# Altium PCB Gateway.PcbDoc
Units mil, origin at the board's own origin, x right, y up, seen from the top; angles counter-clockwise.
Board outline 2309.97 x 2539.97 mil, 2 copper layers (Top Layer, Bottom Layer); 56 components, 46 nets, 227 pads, 73 vias.
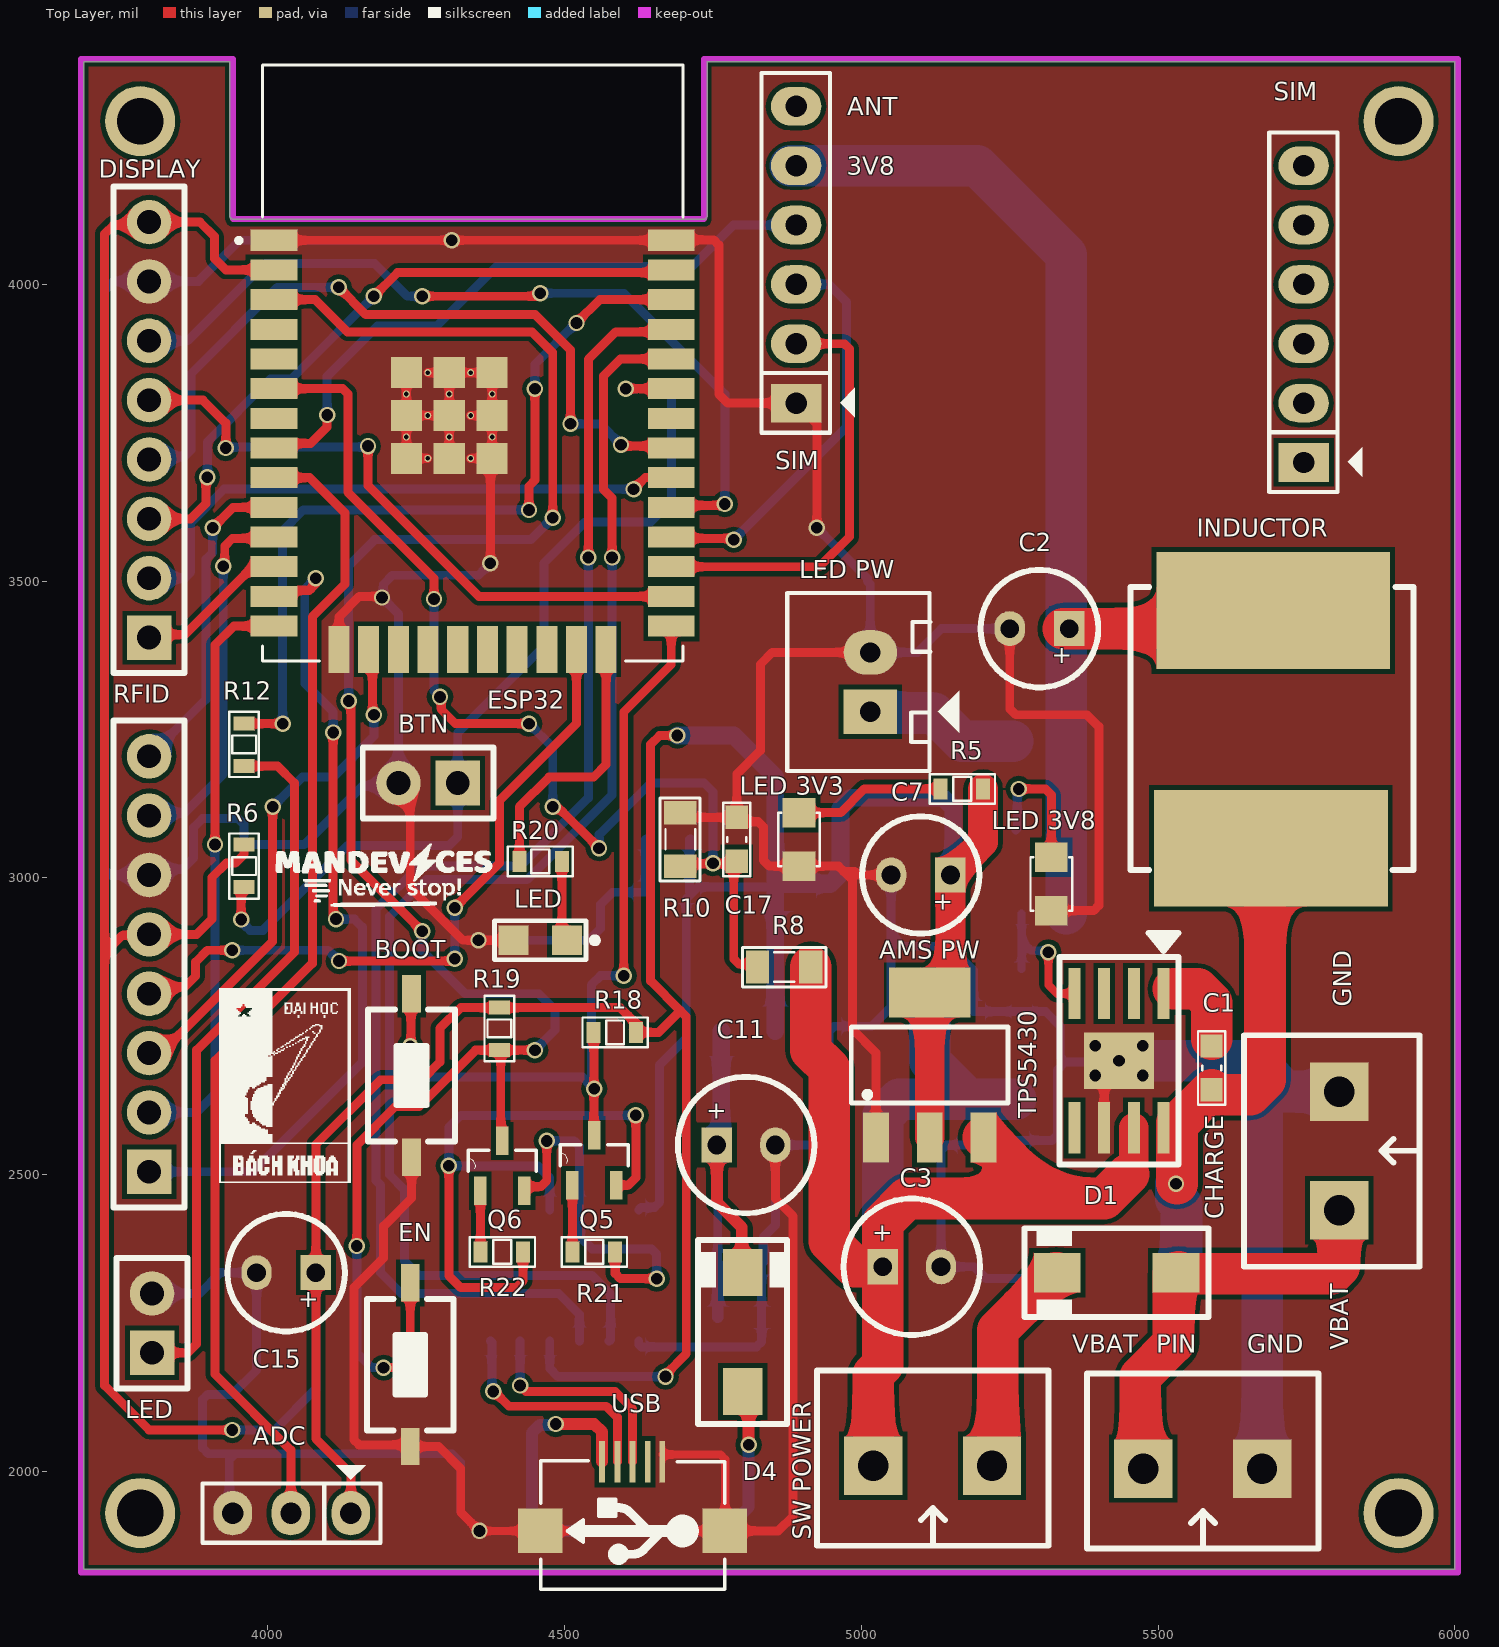
[diagram p0: Top Layer view]
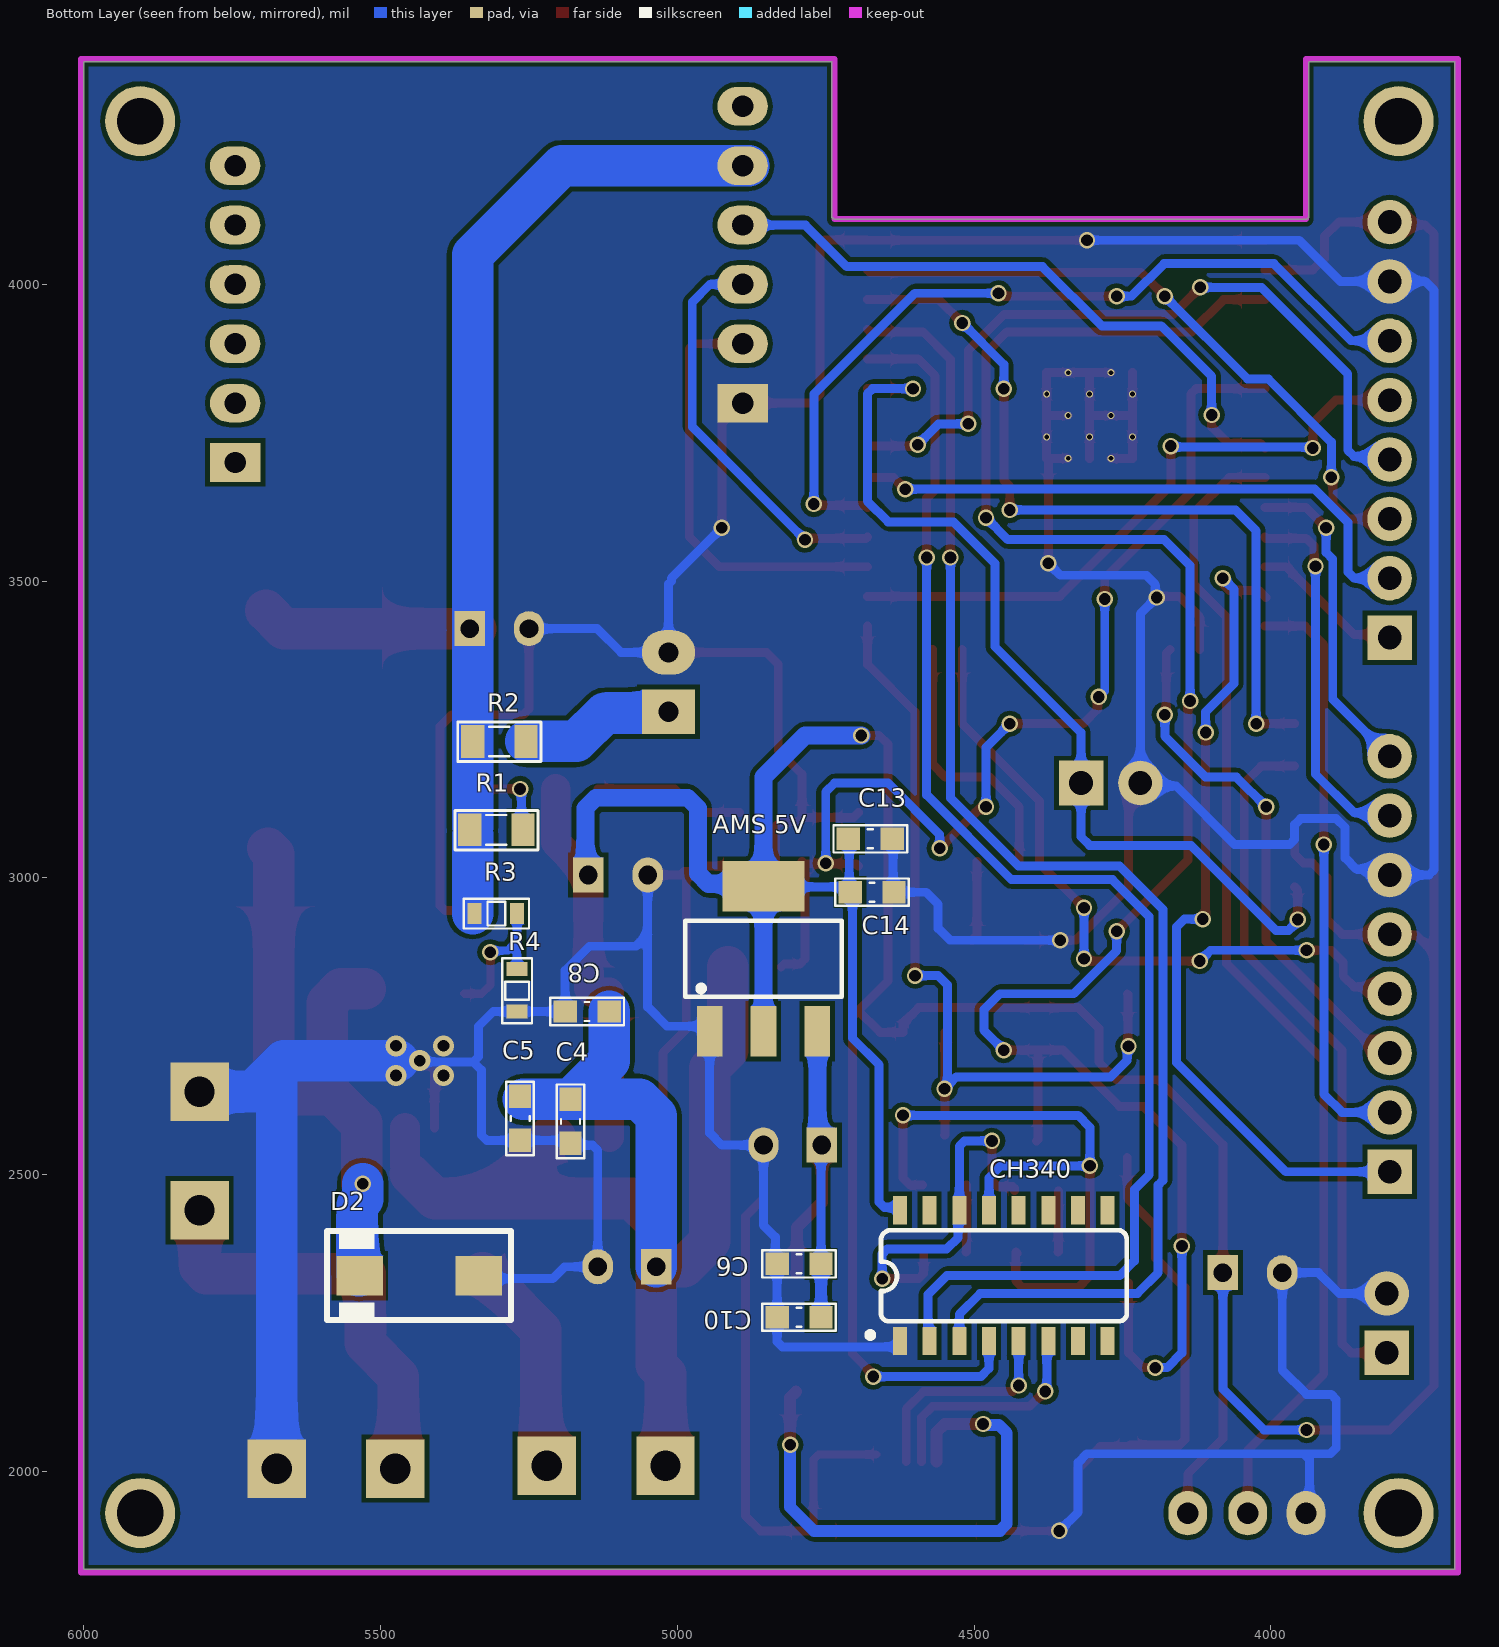
[diagram p1: Bottom Layer view, seen from below]
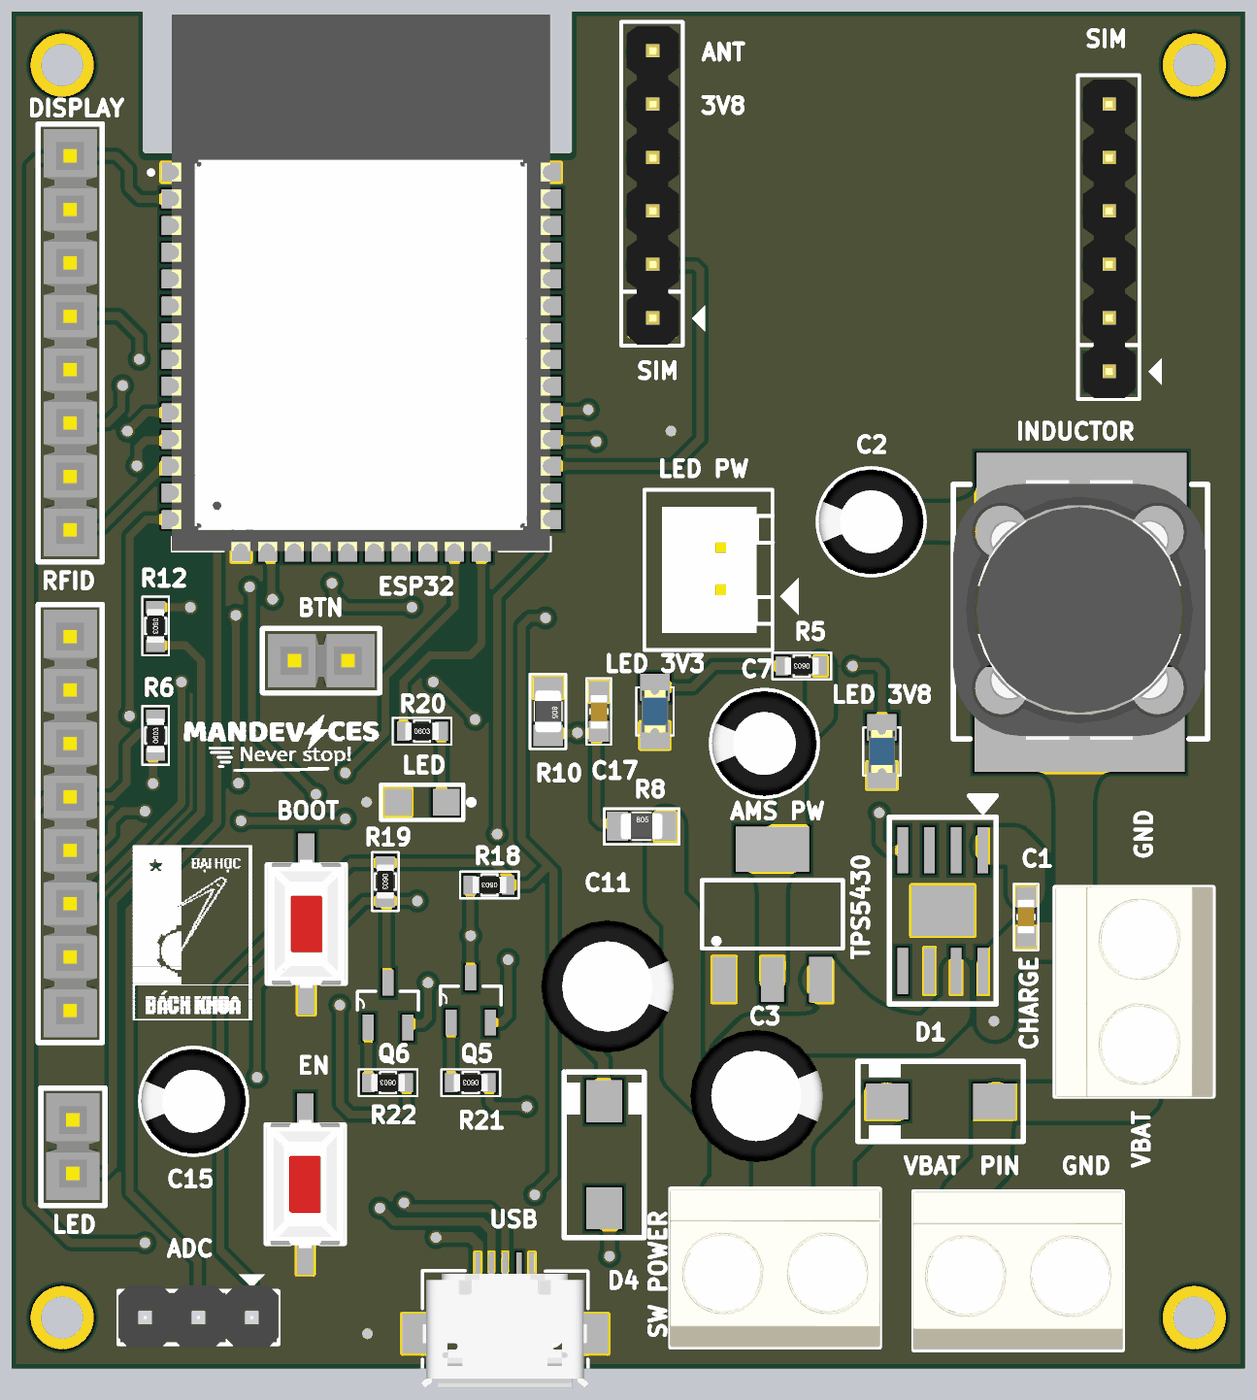
[diagram p2: 3D render of the assembled board from above, using the file's embedded part models]
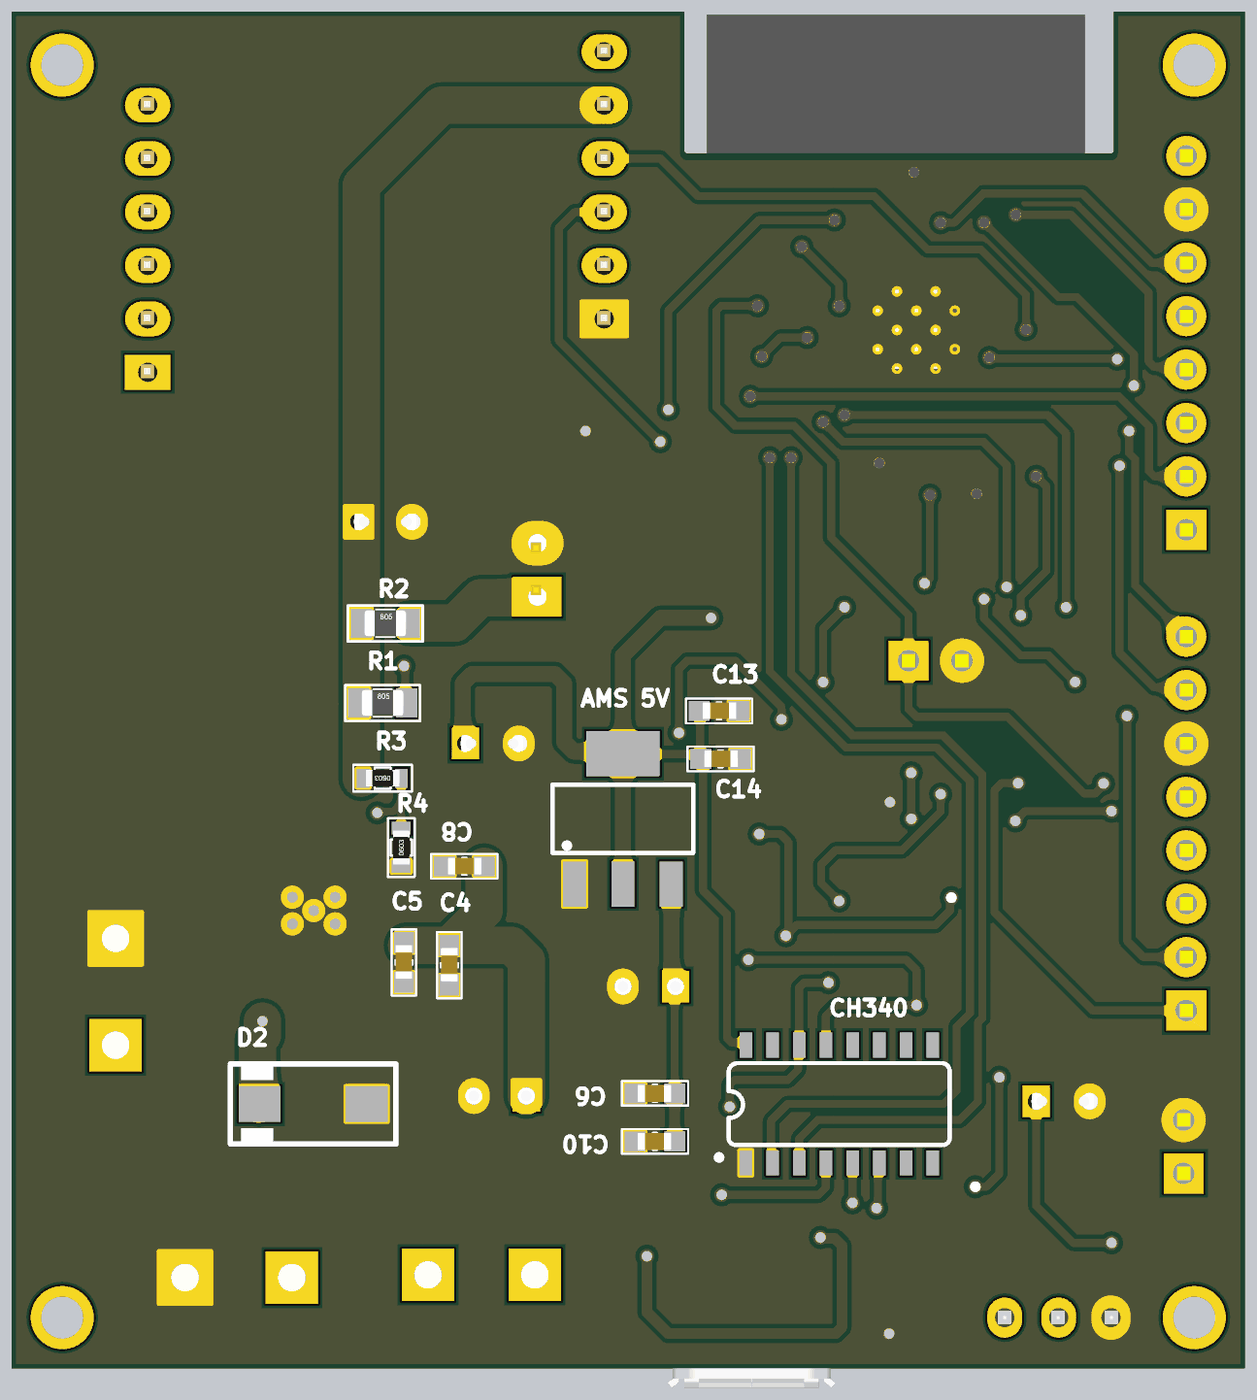
[diagram p3: 3D render of the assembled board from below, using the file's embedded part models]

## Layer stack, top to bottom
Top Solder: solder mask 0.4, Solder Resist, Dk 3.5
Top Layer: signal copper 1.4
Dielectric 1: dielectric 12.6, FR-4, Dk 4.8
Bottom Layer: signal copper 1.4
Bottom Solder: solder mask 0.4, Solder Resist, Dk 3.5

## Board outline
5999.99,1835.02 3690.01,1835.02 3690.01,4374.98 3935.99,4374.98 3935.99,4115 ccw(c3941,4115) 3941,4109.98 4735,4109.98 ccw(c4735,4115) 4740.02,4115 4740.02,4374.98 5999.99,4374.98

## Design rules (kind name [scope] priority, off if disabled: settings)
Clearance [All] p1: gap=7.87 ignorepadtopadclearanceinfootprint=FALSE
DiffPairsRouting [All] p1: maxlimit=10 minlimit=10 mostfreqgap=10 toplayer_minwidth=15 toplayer_maxwidth=15 toplayer_prefwidth=15 bottomlayer_minwidth=15 bottomlayer_maxwidth=15 bottomlayer_prefwidth=15 maxuncoupledlength=500
PolygonConnect [All] p1: connectstyle=Direct reliefconductorwidth=10 reliefentries=4 polygonreliefangle="90 Angle" airgapwidth=10
RoutingVias [All] p1: holewidth=11.81 width=27.56 viastyle="Through Hole" minholewidth=11.81 minwidth=27.56 maxholewidth=11.81 maxwidth=27.56
SolderMaskExpansion [All] p1: expansion=4
Width [All] p1: maxlimit=70 minlimit=11.81 preferedwidth=15 minimp=50.000000 maximp=50.000000 favimp=50.000000
29 further rules are at their usual default settings.

## Classes and differential pairs
component class 5.DISPLAY: DISPLAY
component class 4.RFID: RFID
component class 6.Support: ADC BTN LED R6 R12
component class 1.POWER: "AMS 5V" "AMS PW" C1 C2 C3 C4 C5 C6 C7 C8 C10 C11 C15 C17 CHARGE D1 D2 IC2 INDUCTOR "LED 3V3" "LED 3V8" "LED PW" PIN R1 R2 R3 R4 R5 R8 R10 "SW POWER" TPS5430
component class 2.MCU: BOOT C13 C14 CH340 D4 EN ESP32 LED Q5 Q6 R18 R19 R20 R21 R22 USB
component class 3.4G: SIM
differential pair D0: +D0_P -D0_N

## Components (designator, comment, footprint, x,y, rotation, side; value= is the part's Value field where it differs from the comment)
ADC "JP 1x3 2.54" JP3 4040,1930 r180 top (schematic designator JP3)
"AMS 5V" "AMS1117-3.3V" SOT223 4855,2863.88 r180 bottom value="AMS1117-3.3V SOT223" (schematic designator AMS2)
"AMS PW" "AMS1117-3.3V" SOT223 5115,2685 r0 top value="AMS1117-3.3V SOT223" (schematic designator AMS1)
BOOT "SW" SW-SMD 4242.13,2667.13 r270 top value="SW chip 2 pin"
BTN "Header 2" "Header 2" 4320,3160 r180 top (schematic designator P3)
C1 "100nF" CAP_0603 5590,2680 r90 top value=10nF,0603
C2 "220uF/16V" C5mm 5300,3420 r180 top
C3 "220uF/16V" C8mm 5085,2345 r0 top value="Cap 470uF/63V"
C4 "100nF" CAP_0603 5180,2590 r90 bottom value=4.7uF,0603
C5 "100uF" CAP_0603 5265,2595 r90 bottom value=10uF,0603
C6 "22pF" CAP_0603 4795,2350 r0 bottom value=10uF
C7 "220uF/16V" C5mm 5100,3005 r180 top
C8 "33pF" CAP_0603 5152,2775 r180 bottom value=4.7uF,0603
C10 "22pF" CAP_0603 4795,2260 r0 bottom value=10uF
C11 "220uF/16V" C8mm 4805.79,2550 r0 top value="Cap 470uF/63V"
C13 "100nF" CAP_0603 4675,3066 r180 bottom value=33p
C14 "1uF" CAP_0603 4672,2976 r180 bottom value=33p
C15 "220uF/16V" C5mm 4031,2335 r180 top value="Cap 470uF/63V"
C17 "100nF" CAP_0603 4790,3065 r270 top value=33p
CH340 "CH340C" SOP-16 4450,2330 r180 bottom
CHARGE "JP2" KF2-5.08 5805,2540 r270 top (schematic designator J4)
D1 "M7" SMA 5430,2335 r180 top value=1N4007
D2 "Diode Zener" SMA 5435,2330 r0 bottom
D4 "M7" SMA 4800,2235 r90 top value=1N4007
DISPLAY "Header 8" "Header 8" 3800,3405 r90 top (schematic designator P1)
EN "SW" SW-SMD 4240,2180 r270 top value="SW chip 2 pin"
ESP32 "ESP32-WROOM-32" MODULE_ESP32-WROOM-32 4345,3867.28 r0 top (schematic designator U2)
INDUCTOR "22uH" Inductor_SMD 5930,3490 r180 top value=220uH (schematic designator L1)
LED "LED3" LED0805 4458.98,2895 r180 top
LED "Header 2" "Header 2" 3805,2200 r90 top (schematic designator P4)
"LED 3V3" "3V3" LED-0805-Blue 4895,3110 r270 top value=Red (schematic designator PW2)
"LED 3V8" "3V8" LED-0805-Blue 5320,3035 r270 top value=Red (schematic designator PW1)
"LED PW" "Jumper2" CON2 5015,3280 r90 top (schematic designator J3)
PIN "JP2" KF2-5.08 5575,2005 r180 top (schematic designator J2)
Q5 "BC817" SOT95P240X97-3N 4550,2524.5 r90 top
Q6 "BC817" SOT95P240X97-3N 4395,2515 r90 top
R1 "1K" RES-SMD-0805 5305,3081 r180 bottom value=1k
R2 "1K" RES-SMD-0805 5300,3230 r180 bottom value=1k
R3 "10K" RES-SMD-0603 5305,2940 r0 bottom value=10k
R4 "4k7R" RES-SMD-0603 5270,2810 r90 bottom value=3.3k
R5 "1k" RES-SMD-0603 5170,3150 r180 top
R6 "1k" RES-SMD-0603 3960,3020 r90 top
R8 "4k7" RES-SMD-0805 4870,2850 r0 top
R10 "4k7" RES-SMD-0805 4695,3065 r270 top
R12 "1k" RES-SMD-0603 3960,3225 r270 top
R18 "10k" RES-SMD-0603 4585.16,2740 r180 top
R19 "10k" RES-SMD-0603 4390,2746.49 r270 top
R20 "1k" RES-SMD-0603 4458.98,3028 r0 top
R21 "10k" RES-SMD-0603 4550,2370 r180 top
R22 "10k" RES-SMD-0603 4395,2370 r180 top
RFID "Header 8" "Header 8" 3800,2505 r90 top (schematic designator P2)
SIM "JP6 PIN" JP6 4890,3800 r90 top value=JP7 (schematic designator JP1)
SIM "JP6 PIN" JP6 5745,3700 r90 top value=JP7 (schematic designator JP2)
"SW POWER" "JP2" KF2-5.08 5120,2010 r180 top (schematic designator J1)
TPS5430 "TPS5430" TPS5430-2 5434,2692.13 r270 top (schematic designator U1)
USB "USB-5" USB-M1 4614.49,2016.84 r180 top

## Footprints (in the part's own frame and the unit in brackets; to place one, negate y for a bottom-side part, rotate by r counter-clockwise, add the part's x,y. Pads: shape width x height; smd on the part's side, far side on the other; paste and mask are expansions set on the pad)
C5mm [mm]
  rect 1.3x1.5 hole 0.8: 1(-1.27,0)
  oval 1.3x1.5 hole 0.8: 2(1.27,0)
  silkscreen extent -2.51,-2.51 2.51,2.51, body extent -2.5,-2.5 2.49,2.5, height 11.01
C8mm [mm]
  rect 1.3x1.5 hole 0.8: 1(-1.25,0)
  oval 1.3x1.5 hole 0.8: 2(1.25,0)
  silkscreen extent -2.92,-2.92 2.92,2.92, body extent -3.15,-3.15 3.13,3.15, height 11.51
CAP_0603 [mm]
  rect 1x0.95 smd mask+0.076: 1(-0.94,0) 2(0.94,0)
  silkscreen extent -1.57,-0.58 1.57,0.58, body extent -0.77,-0.39 0.83,0.41, height 0.9
CON2 [mil] "CON2"
  rect 75x90 hole 34: 1(0,0)
  oval 75x90 hole 34: 2(100,0)
  silkscreen extent -100,-150 200,140, body extent -68,-70 168,107, height 236
"Header 2" [mil] "Connector; Header; 2 Position; Solder Pad 35mil"
  rect 75x75 hole 40: 1(0,0)
  round 75 hole 40: 2(100,0)
  silkscreen extent -60,-60 160,60, body extent -50,-50 150,50, height 330
"Header 8" [mil] "Connector; Header; 8 Position; Solder Pad 35mil"
  rect 75x75 hole 40: 1(0,0)
  round 75 hole 40: 2(100,0) 3(200,0) 4(300,0) 5(400,0) 6(500,0) 7(600,0) 8(700,0)
  silkscreen extent -60,-60 760,60, body extent -50,-50 750,50, height 330
Inductor_SMD [mm]
  rect 10x5 smd: 1(6.096,11.176) 2(6,1)
  silkscreen extent 0,0 12.1,12.1, body extent 0.1,-0.2 12.1,12.14, height 7.15
JP3 [mil] "Jumper 3"
  oval 65x75 hole 36: 1(-100,0) 2(1,0) 3(99,0)
  silkscreen extent -150,-81 150,50, body extent -150,-60 150,55, height 355
JP6 [mil] "JP6"
  rect 65x85 hole 36: 1(0,0)
  oval 65x85 hole 36: 2(100,0) 3(200,0) 4(300,0) 5(400,0) 6(500,0)
  silkscreen extent -50,-99 556,58, body extent -48,-50 548,48, height 323
KF2-5.08 [mm]
  rect 2.5x2.5 hole 1.3: 1(-2.54,0) 2(2.54,0)
  silkscreen extent -4.95,-4.08 4.95,3.43, body extent -5,-4.07 5,3.43, height 10
LED0805 [mil] "Chip Resistor; Body 2.0 x 1.3 mm (LxW typ)"
  rect 50x50 smd: 1(-45,0) 2(45,0)
  silkscreen extent -97,-33 77,33, body extent -60,-25 60,25, height 47
LED-0805-Blue [mil]
  rect 50x55 smd: 1(0,0) 2(90,0)
  silkscreen extent 0,-35 90,35, body extent 5,-25 85,25, height 43
MODULE_ESP32-WROOM-32 [mm]
  rect 2x0.9 smd: 1(-8.5,5.26) 2(-8.5,3.99) 3(-8.5,2.72) 4(-8.5,1.45) 5(-8.5,0.18) 6(-8.5,-1.09) 7(-8.5,-2.36) 8(-8.5,-3.63) 9(-8.5,-4.9) 10(-8.5,-6.17) 11(-8.5,-7.44) 12(-8.5,-8.71) 13(-8.5,-9.98) 14(-8.5,-11.25) 25(8.5,-11.25) 26(8.5,-9.98) 27(8.5,-8.71) 28(8.5,-7.44) 29(8.5,-6.17) 30(8.5,-4.9) 31(8.5,-3.63) 32(8.5,-2.36) 33(8.5,-1.09) 34(8.5,0.18) 35(8.5,1.45) 36(8.5,2.72) 37(8.5,3.99) 38(8.5,5.26)
  rect 0.9x2 smd: 15(-5.715,-12.25) 16(-4.445,-12.25) 17(-3.175,-12.25) 18(-1.905,-12.25) 19(-0.635,-12.25) 20(0.635,-12.25) 21(1.905,-12.25) 22(3.175,-12.25) 23(4.445,-12.25) 24(5.715,-12.25)
  rect 1.33x1.33 smd: 39_1(-2.835,-0.405) 39_2(-1,-0.405) 39_3(0.835,-0.405) 39_4(-2.835,-2.24) 39_5(-1,-2.24) 39_6(0.835,-2.24) 39_7(-2.835,-4.075) 39_8(-1,-4.075) 39_9(0.835,-4.075)
  round 0.3 hole 0.2: 39_10(-1.917,-0.405) 39_11(-0.082,-0.405) 39_12(-2.835,-1.322) 39_13(-1,-1.322) 39_14(0.835,-1.322) 39_15(-1.917,-2.24) 39_16(-0.082,-2.24) 39_17(-2.835,-3.157) 39_18(-1,-3.157) 39_19(0.835,-3.157) 39_20(-1.917,-4.075) 39_21(-0.082,-4.075)